# Altium PCB STM32F407IGH6BGA.PcbDoc
Units mil, origin at the board's own origin, x right, y up, seen from the top; angles counter-clockwise.
Board outline 6000 x 4000 mil, 2 copper layers (Top Layer, Bottom Layer); 197 components, 153 nets, 810 pads, 0 vias.
Unrouted connection lines stored in the file: 534.
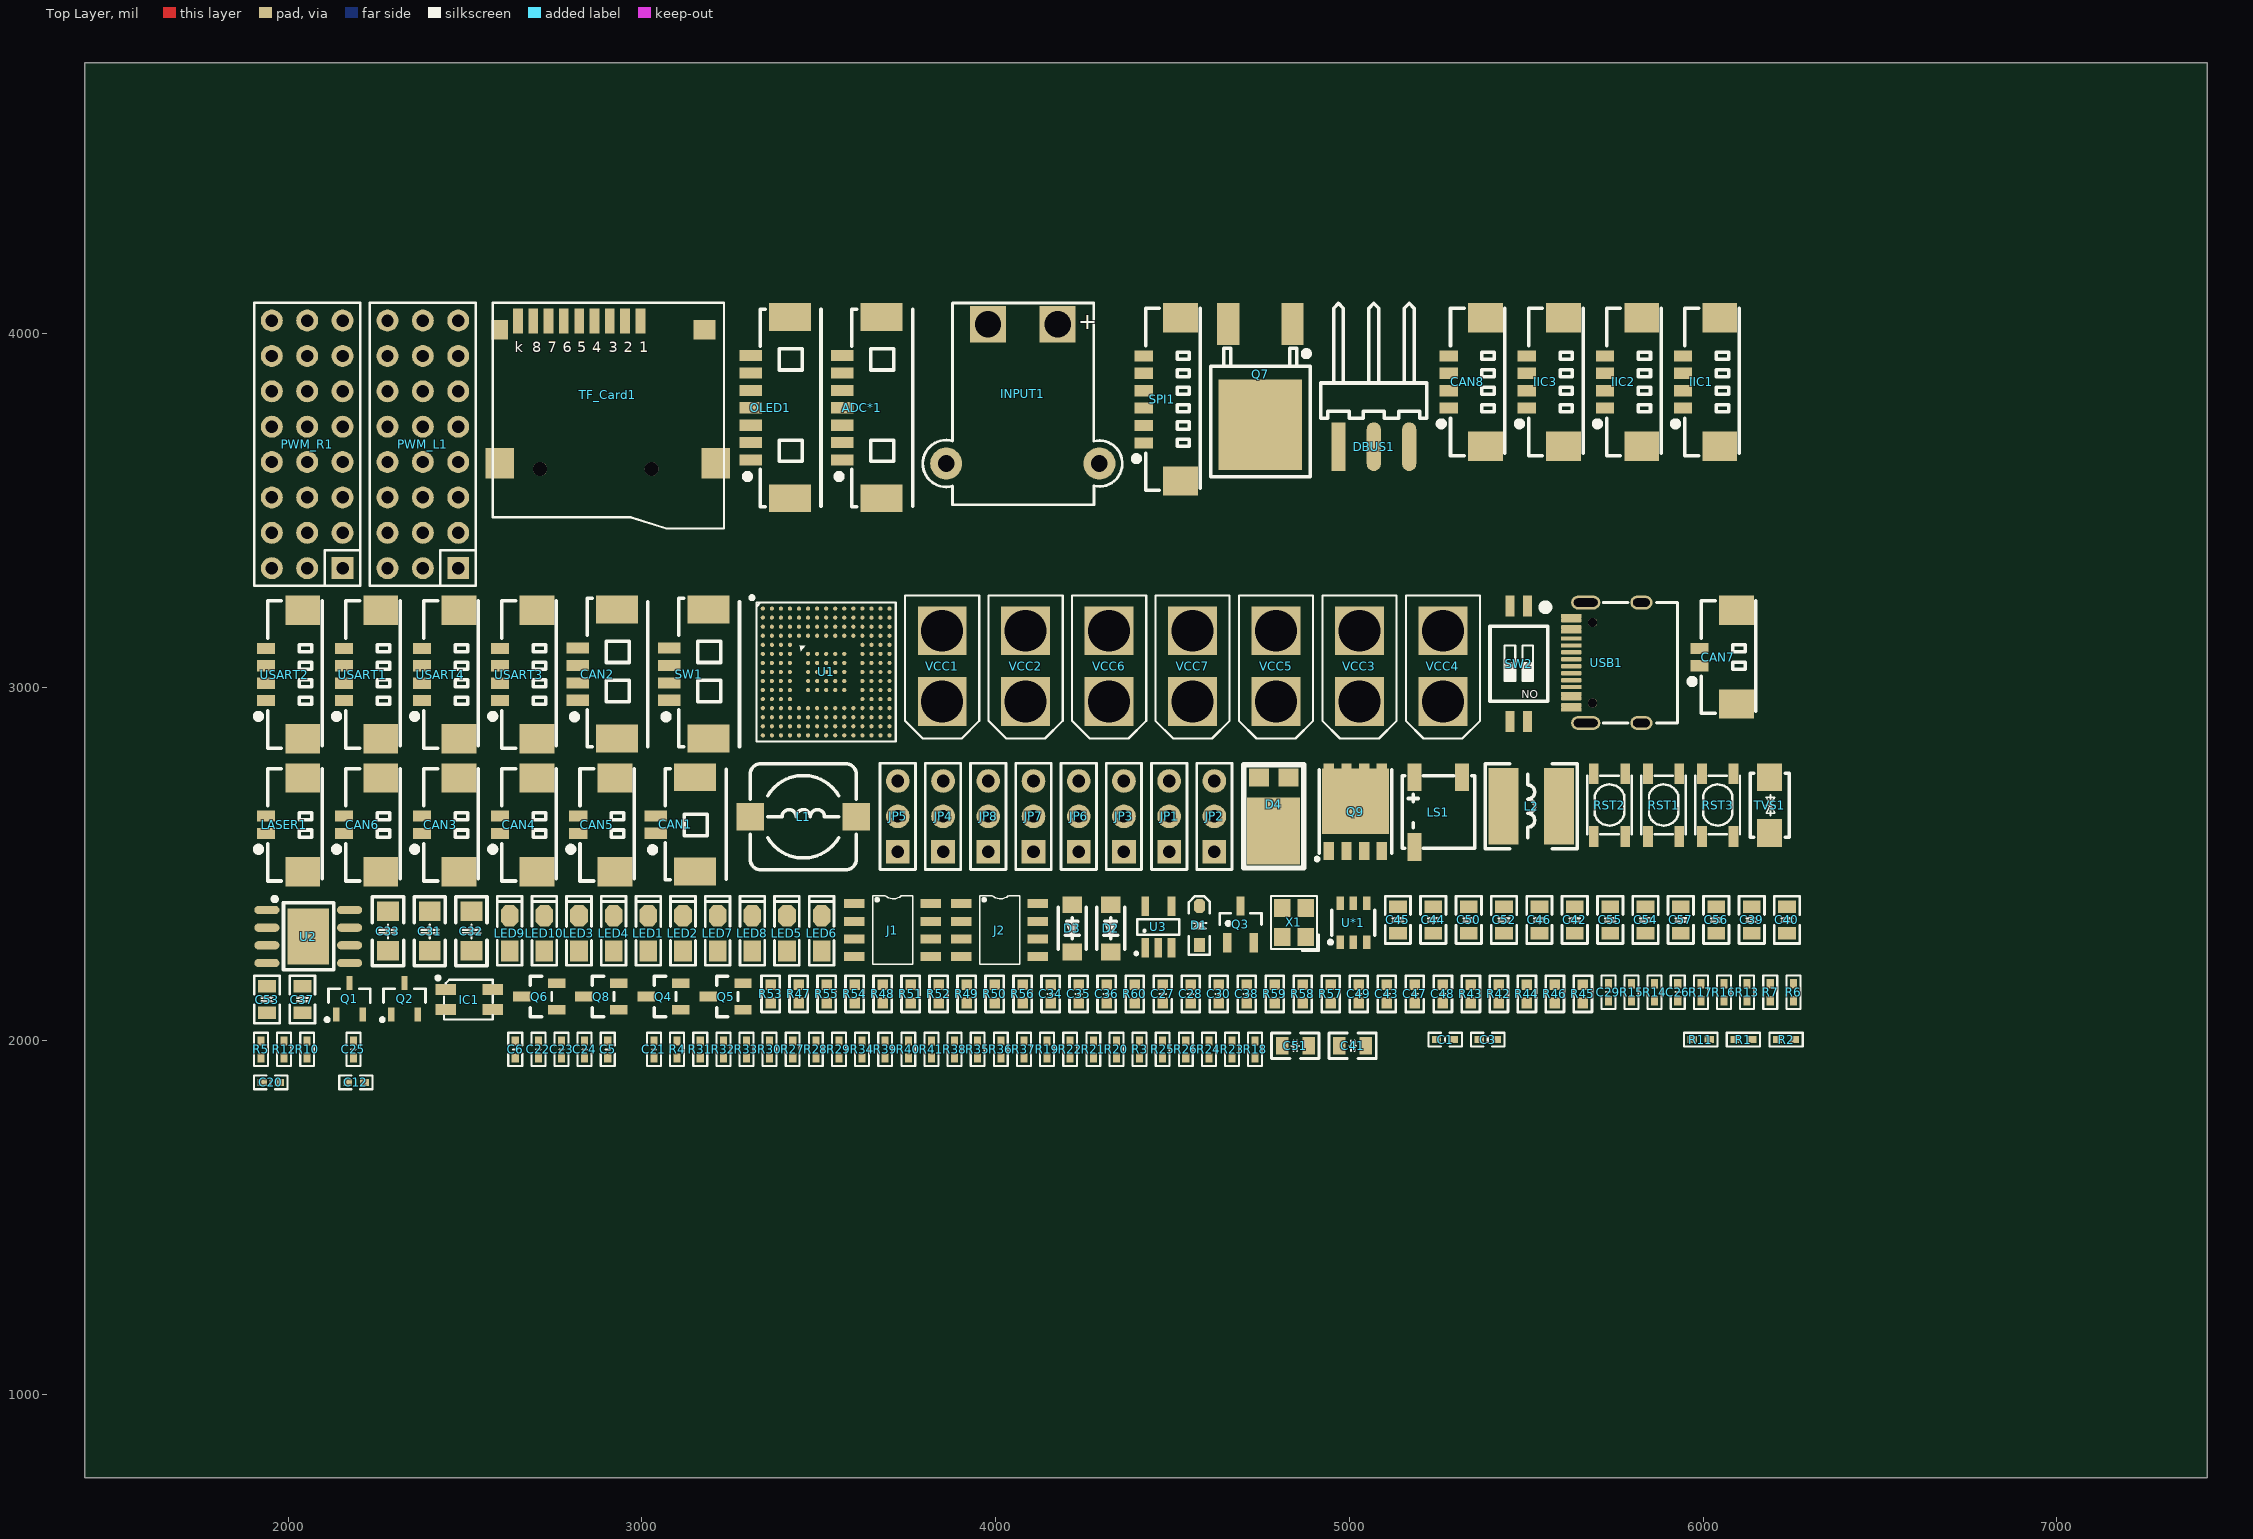
[diagram p0: Top Layer view]
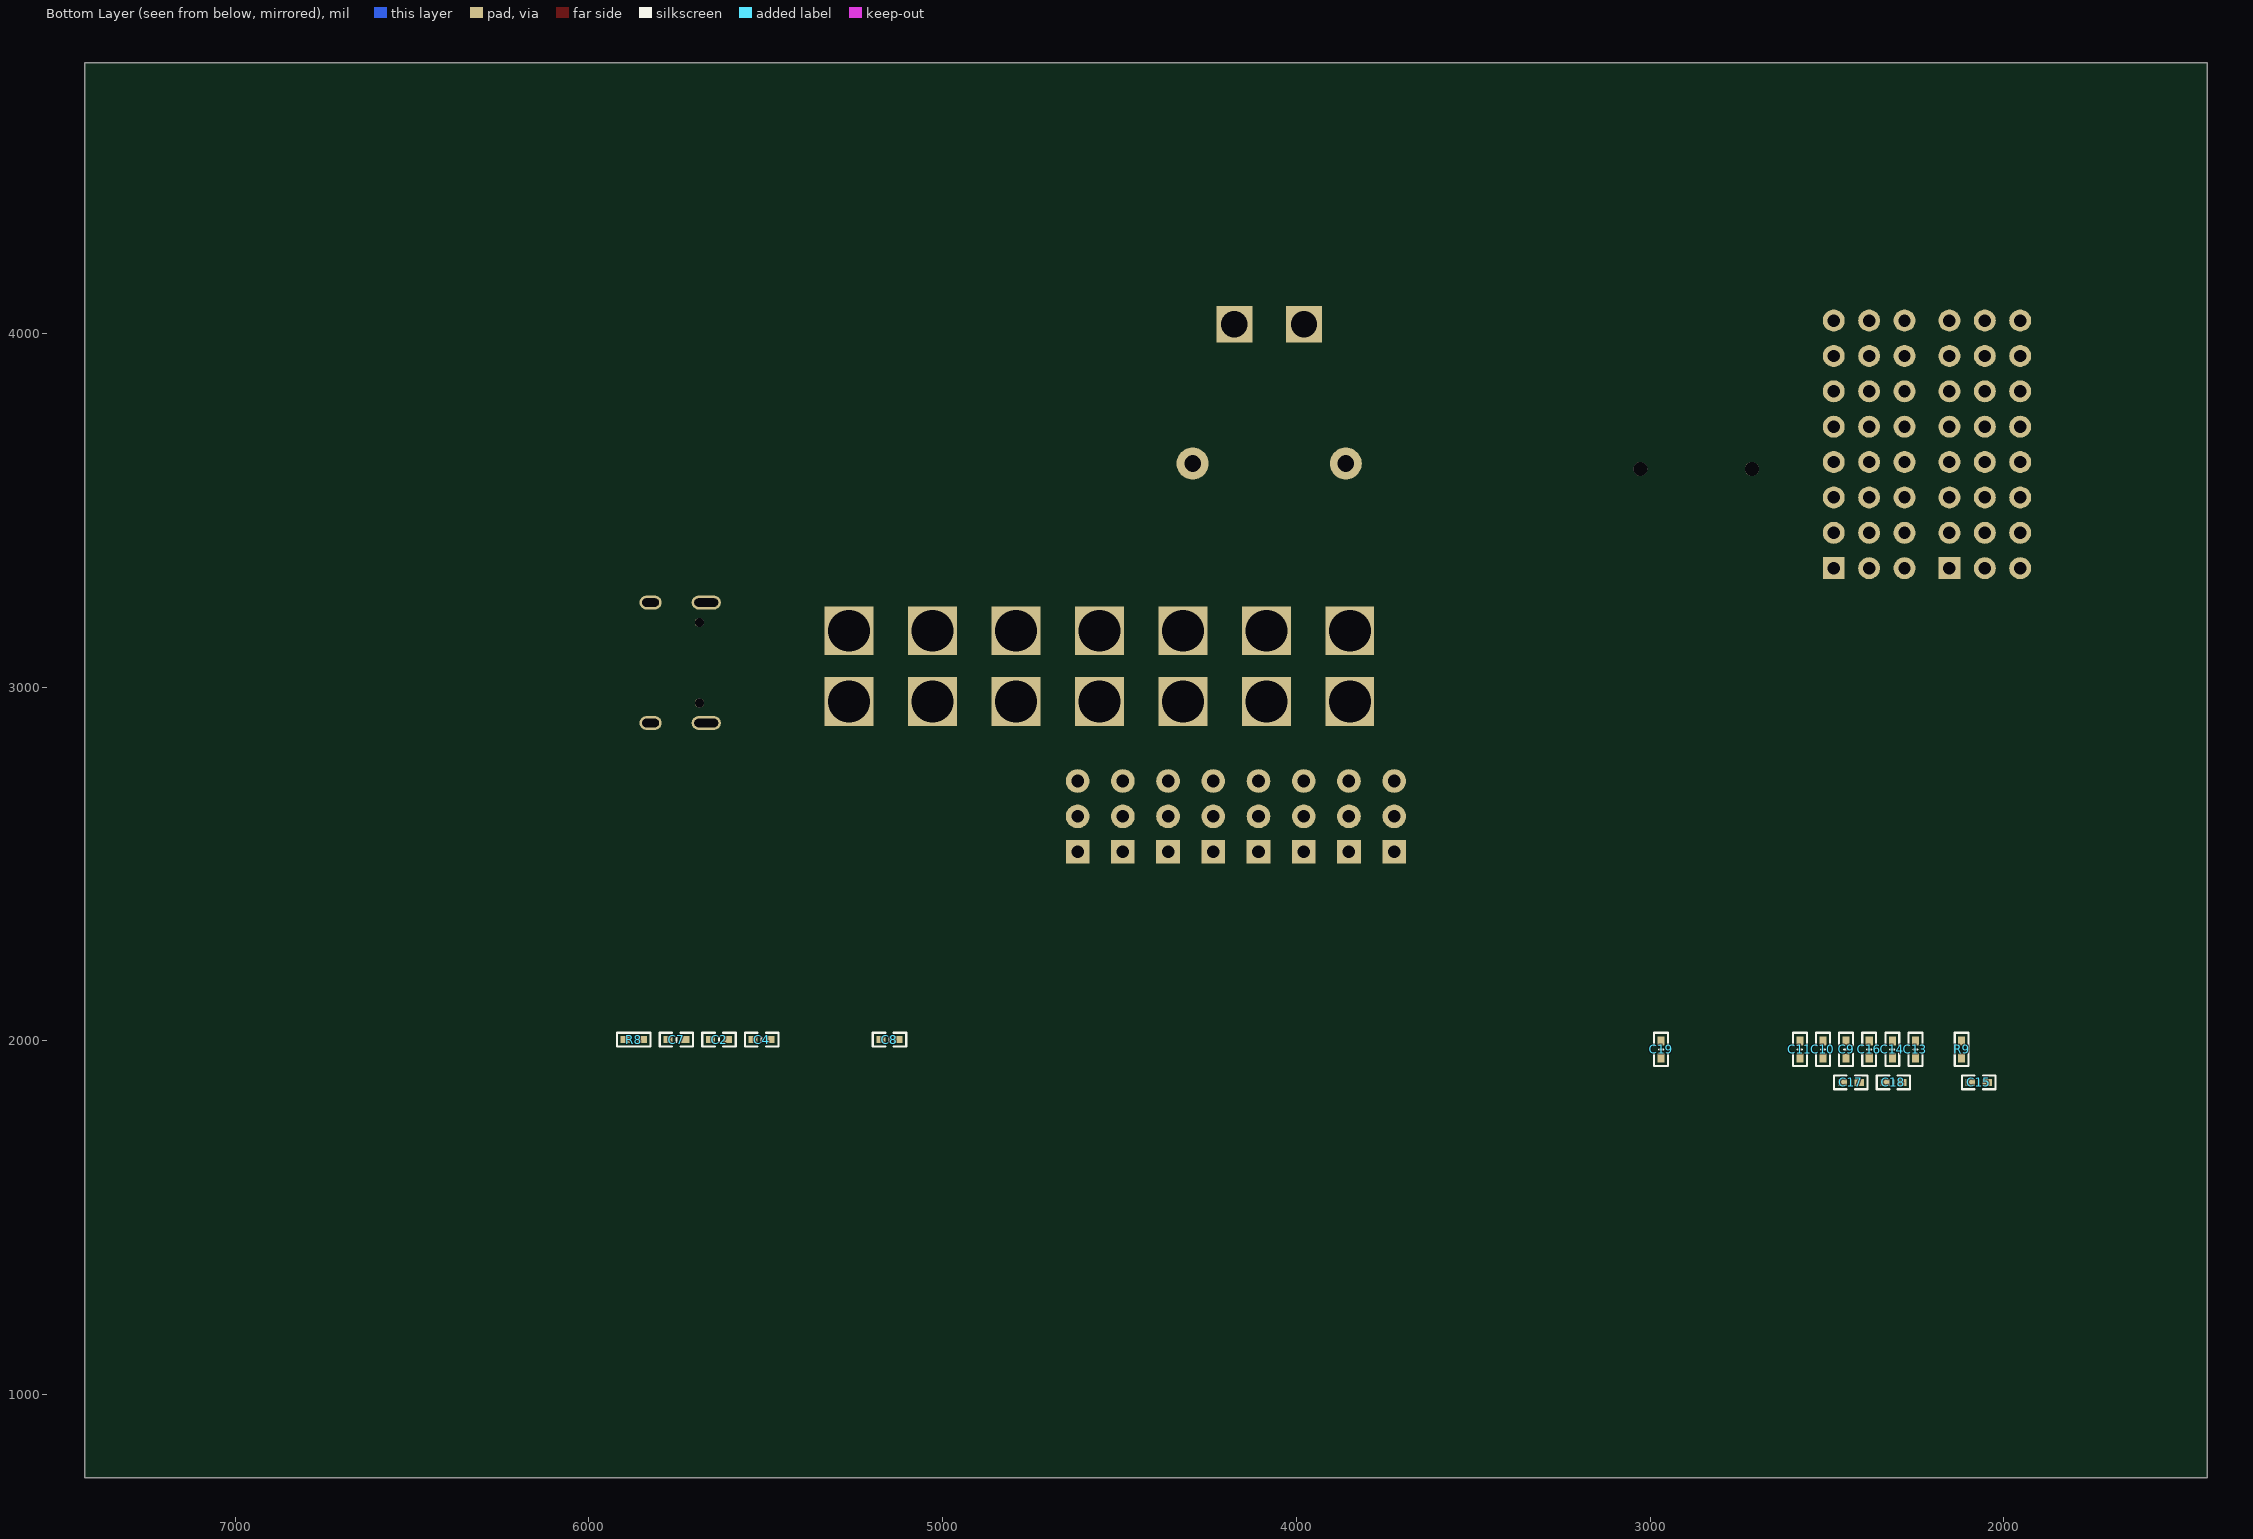
[diagram p1: Bottom Layer view, seen from below]

## Layer stack, top to bottom
Top Solder: solder mask 0.4, Solder Resist, Dk 3.5
Top Layer: signal copper 1.4
Dielectric 1: dielectric 12.6, FR-4, Dk 4.8
Bottom Layer: signal copper 1.4
Bottom Solder: solder mask 0.4, Solder Resist, Dk 3.5

## Board outline
1425,765 7425,765 7425,4765 1425,4765

## Design rules (kind name [scope] priority, off if disabled: settings)
BoardOutlineClearance [All] p1: gap=10 ignorepadtopadclearanceinfootprint=FALSE except(0: Arc-SplitContinuation Track-SplitContinuation SMDPad-SplitContinuation THPad-SplitContinuation Via-SplitContinuation Fill-SplitContinuation Poly-SplitContinuation Region-SplitContinuation Text-SplitContinuation)
Clearance [All] p1: gap=4 ignorepadtopadclearanceinfootprint=TRUE except(0: Arc-Hole Track-Hole SMDPad-Hole THPad-Hole Via-Hole Fill-Hole Poly-Hole Region-Hole Text-Hole)
PlaneConnect [All] p1: planeconnectstyle=Direct reliefexpansion=20 reliefentries=4 reliefconductorwidth=10 reliefairgap=10
PolygonConnect [All] p1: connectstyle=Direct reliefconductorwidth=10 reliefentries=4 polygonreliefangle="90 Angle" airgapwidth=10
RoutingVias [All] p1: holewidth=12 width=24 viastyle="Through Hole" minholewidth=12 minwidth=24 maxholewidth=24 maxwidth=48
SolderMaskExpansion [All] p1: expansion=4 istentingtop=FALSE
Width [All] p1: maxlimit=100 minlimit=5 preferedwidth=10
29 further rules are at their usual default settings.

## Classes and differential pairs
component class Power: C30 C31 C32 C33 C34 C35 C36 C37 C38 C39 C40 C41 C42 C43 C44 C45 C46 C47 C48 C49 C50 C51 C52 C53 C54 C55 C56 C57 D2 D3 D4 INPUT1 L1 L2 Q7 Q8 Q9 R42 R43 R44 R45 R46 R47 R48 R49 R50 R51 R52 R53 R54 R55 R56 R57 R58 R59 R60 TVS1 U2 U3 U*1 VCC1 VCC2 VCC3 VCC4 VCC5 VCC6 VCC7
component class BasicPeripherals: ADC*1 C26 C27 C28 C29 CAN1 CAN2 CAN3 CAN4 CAN5 CAN6 CAN7 CAN8 D1 DBUS1 IC1 IIC1 IIC2 IIC3 J1 J2 JP1 JP2 JP3 JP4 JP5 JP6 JP7 JP8 LASER1 LED1 LED2 LED3 LED4 LED5 LED6 LED7 LED8 LED9 LED10 LS1 OLED1 PWM_L1 PWM_R1 Q1 Q2 Q3 Q4 Q5 Q6 R11 R12 R13 R14 R15 R16 R17 R18 R19 R20 R21 R22 R23 R24 R25 R26 R27 R28 R29 R30 R31 R32 R33 R34 R35 R36 R37 R38 R39 R40 R41 RST2 RST3 SPI1 TF_Card1 USART1 USART2 USART3 USART4 USB1
component class STM32F407IGH6BGA: C1 C2 C3 C4 C5 C6 C7 C8 C9 C10 C11 C12 C13 C14 C15 C16 C17 C18 C19 C20 C21 C22 C23 C24 C25 R1 R2 R3 R4 R5 R6 R7 R8 R9 R10 RST1 SW1 SW2 U1 X1

## Components (designator, comment, footprint, x,y, rotation, side; value= is the part's Value field where it differs from the comment)
ADC*1 "HDR-1X7" "MX 1.25-WS-7P" 3677.25,3790.45 r90 top
C1 "4.7uF" "C 0402_M" 5270.73,2003.37 r0 top
C2 "4.7uF" "C 0402_M" 5632.19,2003.37 r0 bottom
C3 "0.1uF" "C 0402_M" 5391.22,2003.37 r0 top
C4 "0.1uF" "C 0402_M" 5511.71,2003.37 r180 bottom
C5 "1uF" "C 0402_M" 2903.24,1975.81 r270 top
C6 "0.1uF" "C 0402_M" 2641.76,1975.81 r270 top
C7 "0.1uF" "C 0402_M" 5752.68,2003.37 r180 bottom
C8 "0.1uF" "C 0402_M" 5150.24,2003.37 r180 bottom
C9 "0.1uF" "C 0402_M" 2445.65,1975.81 r90 bottom
C10 "0.1uF" "C 0402_M" 2511.02,1975.81 r90 bottom
C11 "0.1uF" "C 0402_M" 2576.39,1975.81 r90 bottom
C12 "0.1uF" "C 0402_M" 2191.22,1882.88 r0 top
C13 "0.1uF" "C 0402_M" 2249.53,1975.81 r90 bottom
C14 "0.1uF" "C 0402_M" 2314.91,1975.81 r90 bottom
C15 "0.1uF" "C 0402_M" 2070.73,1882.88 r0 bottom
C16 "0.1uF" "C 0402_M" 2380.28,1975.81 r90 bottom
C17 "2.2uF" "C 0402_M" 2432.2,1882.88 r180 bottom
C18 "0.1uF" "C 0402_M" 2311.71,1882.88 r0 bottom
C19 "2.2uF" "C 0402_M" 2968.61,1975.81 r90 bottom
C20 "0.1uF" "C 0402_M" 1950.24,1882.88 r0 top
C21 "1uF" "C 0402_M" 3033.98,1975.81 r270 top
C22 "0.1uF" "C 0402_M" 2707.13,1975.81 r270 top
C23 "22pF" "C 0402_M" 2772.5,1975.81 r90 top
C24 "104" "C 0402_M" 2837.87,1975.81 r90 top
C25 "22pF" "C 0402_M" 2184.16,1975.81 r270 top
C26 "10uF" "C 0402_M" 5928.39,2137.67 r90 top
C27 "104" "C 0603_L" 4472.28,2132.74 r90 top
C28 "104" "C 0603_L" 4551.46,2132.74 r90 top
C29 "10uF" "C 0402_M" 5732.28,2137.67 r90 top
C30 "0.1uF" "C 0603_L" 4630.64,2132.74 r90 top
C31 "220uF" "C 1206_L" 2399.87,2309.37 r90 top
C32 "47uF" "C 1206_L" 2517.87,2309.37 r90 top
C33 "4.7uF" "C 1206_L" 2281.87,2309.37 r90 top
C34 "10nF" "C 0603_L" 4155.56,2132.74 r90 top
C35 "10nF" "C 0603_L" 4234.74,2132.74 r90 top
C36 "100nF" "C 0603_L" 4313.92,2132.74 r90 top
C37 "22uF" "C 0805_L" 2040,2116.98 r90 top
C38 "470pF" "C 0603_L" 4709.82,2132.74 r90 top
C39 "22uF" "C 0805_L" 6137.27,2341.87 r90 top
C40 "0.1uF" "C 0805_L" 6237.27,2341.87 r90 top
C41 "10uF" "C 0805_L" 5009.07,1986.06 r0 top
C42 "1uF" "C 0805_L" 5637.27,2341.87 r90 top
C43 "4.7nF" "C 0603_L" 5105.73,2132.74 r90 top
C44 "0.1uF" "C 0805_L" 5237.27,2341.87 r90 top
C45 "10uF" "C 0805_L" 5137.27,2341.87 r90 top
C46 "1uF" "C 0805_L" 5537.27,2341.87 r90 top
C47 "47pF" "C 0603_L" 5184.91,2132.74 r90 top
C48 "0.1uF" "C 0603_L" 5264.09,2132.74 r90 top
C49 "22pF" "C 0603_L" 5026.55,2132.74 r90 top
C50 "47uF" "C 0805_L" 5337.27,2341.87 r90 top
C51 "0.1uF" "C 0805_L" 4847.21,1986.06 r0 top
C52 "47uF" "C 0805_L" 5437.27,2341.87 r90 top
C53 "0.1uF" "C 0805_L" 1940,2116.98 r90 top
C54 "0.1uF" "C 0805_L" 5837.27,2341.87 r90 top
C55 "0.1uF" "C 0805_L" 5737.27,2341.87 r90 top
C56 "47uF" "C 0805_L" 6037.27,2341.87 r90 top
C57 "47uF" "C 0805_L" 5937.27,2341.87 r90 top
CAN1 "HDR-1X2" "MX 1.25-WS-2P" 3149.9,2612.17 r90 top
CAN2 "HDR-1X4" "MX 1.25-WS-4P" 2929.15,3037.27 r90 top
CAN3 "HDR-1X2" "MX 1.25-LS-2P" 2467.25,2611.28 r90 top
CAN4 "HDR-1X2" "MX 1.25-LS-2P" 2688,2611.28 r90 top
CAN5 "HDR-1X2" "MX 1.25-LS-2P" 2908.75,2611.28 r90 top
CAN6 "HDR-1X2" "MX 1.25-LS-2P" 2246.5,2611.28 r90 top
CAN7 "HDR-1X2" "MX 1.25-LS-2P" 6079.16,3085.6 r90 top
CAN8 "HDR-1X4" "MX 1.25-LS-4P" 5369.86,3863.39 r90 top
D1 "1N4148" SOD-323 4575.87,2326.3 r90 top
D2 "BZD27C30P" SOD-123_L2.8-W1.8-LS3.7-RD 4325.05,2318.24 r90 top
D3 "KDZVTR12B" SOD-123_L2.8-W1.8-LS3.7-RD 4216.31,2318.24 r90 top
D4 "SVM860VB" TO-277B_3P-L6.1-W4.3-LS7.0-BR 4785.85,2669.16 r90 top
DBUS1 "HDR-1X3" HDR2.54-WS-3P 5069.11,3680 r0 top
IC1 "WS2812B" "LED 3528-4Pin" 2511.68,2116.91 r0 top
IIC1 "HDR-1X4" "MX 1.25-LS-4P" 6032.11,3863.39 r90 top
IIC2 "HDR-1X4" "MX 1.25-LS-4P" 5811.36,3863.39 r90 top
IIC3 "HDR-1X4" "MX 1.25-LS-4P" 5590.61,3863.39 r90 top
INPUT1 "XT30" XT30PW-M 4076.67,3829.21 r0 top
J1 "TJA1050" SOIC-8_150mil 3599.87,2387.98 r0 top
J2 "TJA1050" SOIC-8_150mil 3902.4,2387.98 r0 top
JP1 "HDR-1X3" HDR2.54-LI-3P 4490.54,2634.75 r90 top
JP2 "HDR-1X3" HDR2.54-LI-3P 4618.41,2634.75 r90 top
JP3 "HDR-1X3" HDR2.54-LI-3P 4362.66,2634.75 r90 top
JP4 "HDR-1X3" HDR2.54-LI-3P 3851.17,2634.75 r90 top
JP5 "HDR-1X3" HDR2.54-LI-3P 3723.29,2634.75 r90 top
JP6 "HDR-1X3" HDR2.54-LI-3P 4234.79,2634.75 r90 top
JP7 "HDR-1X3" HDR2.54-LI-3P 4106.91,2634.75 r90 top
JP8 "HDR-1X3" HDR2.54-LI-3P 3979.04,2634.75 r90 top
L1 "6.8uH" CDRH73 3455.98,2633.68 r0 top
L2 "4.7uH" CD53 5513.95,2663.68 r0 top
LASER1 "HDR-1X2" "MX 1.25-LS-2P" 2025.75,2611.28 r90 top
LED1 "红色" "LED 0805G" 3017.87,2303.8 r90 top
LED2 "红色" "LED 0805G" 3115.87,2303.8 r90 top
LED3 "红色" "LED 0805G" 2821.87,2303.8 r90 top
LED4 "红色" "LED 0805G" 2919.87,2303.8 r90 top
LED5 "红色" "LED 0805G" 3409.87,2303.8 r90 top
LED6 "红色" "LED 0805G" 3507.87,2303.8 r90 top
LED7 "红色" "LED 0805G" 3213.87,2303.8 r90 top
LED8 "红色" "LED 0805G" 3311.87,2303.8 r90 top
LED9 "红色" "LED 0805R" 2625.87,2303.8 r90 top
LED10 "红色" "LED 0805R" 2723.87,2303.8 r90 top
LS1 "KLJ-5020" BUZ-SMD_4P-L5.0-W5.0-P3.80-TL 5251.55,2646.89 r0 top
OLED1 "HDR-1X7" "MX 1.25-WS-7P" 3418.39,3790.45 r90 top
PWM_L1 "HDR3*8-left" "PIN-3*8-2.54 - duplicate" 2480.5,3336.5 r90 top
PWM_R1 "HDR3*8-right" "PIN-3*8-2.54 - duplicate" 2153.5,3336.5 r90 top
Q1 "SS8050" SOT23-3L 2172.83,2119.94 r0 top
Q2 "SS8050" SOT23-3L 2328.66,2119.94 r0 top
Q3 "PMBT3904" SOT-23-3 4692.37,2327.3 r0 top
Q4 "AO3400A" SOT-23-3_L2.9-W1.3-P1.90-LS2.4-BR 3060.74,2125.43 r0 top
Q5 "AO3400A" SOT-23-3_L2.9-W1.3-P1.90-LS2.4-BR 3236.35,2125.43 r0 top
Q6 "AO3400A" SOT-23-3_L2.9-W1.3-P1.90-LS2.4-BR 2709.51,2125.43 r0 top
Q7 "IPD50P04P4L" PG-TO252-3 4748.47,3884.55 r90 top
Q8 "PMBT3906,215" SOT-23-3_L2.9-W1.3-P1.90-LS2.4-BR 2885.13,2125.43 r0 top
Q9 "BSC037N08NS5ATMA1" PG-TDSON-8_L5.0-W6.0-P1.27-LS6.2-BL-EP 5016.82,2648.09 r0 top
R1 "0R" "R 0402_M" 6114.15,2003.37 r180 top
R2 "0R" "R 0402_M" 6234.63,2003.37 r180 top
R3 "10K" "R 0402_M" 4406.75,1975.81 r270 top
R4 "1K" "R 0402_M" 3099.35,1975.81 r270 top
R5 "10K" "R 0402_M" 1922.68,1975.81 r270 top
R6 "1K" "R 0402_M" 6255.24,2137.67 r270 top
R7 "0R" "R 0402_M" 6189.87,2137.67 r270 top
R8 "10K" "R 0402_M" 5873.17,2003.37 r0 bottom
R9 "10K" "R 0402_M" 2118.8,1975.81 r90 bottom
R10 "10K" "R 0402_M" 2053.43,1975.81 r90 top
R11 "4.7K" "R 0402_M" 5993.66,2003.37 r0 top
R12 "120R" "R 0402_M" 1988.06,1975.81 r90 top
R13 "510R" "R 0402_M" 6124.5,2137.67 r90 top
R14 "510R" "R 0402_M" 5863.02,2137.67 r90 top
R15 "4.7K" "R 0402_M" 5797.65,2137.67 r90 top
R16 "10K" "R 0402_M" 6059.13,2137.67 r90 top
R17 "10K" "R 0402_M" 5993.76,2137.67 r90 top
R18 "120R" "R 0402_M" 4733.6,1975.81 r90 top
R19 "10K" "R 0402_M" 4145.27,1975.81 r90 top
R20 "10K" "R 0402_M" 4341.38,1975.81 r90 top
R21 "10K" "R 0402_M" 4276.01,1975.81 r90 top
R22 "10K" "R 0402_M" 4210.64,1975.81 r90 top
R23 "10K" "R 0402_M" 4668.23,1975.81 r90 top
R24 "10K" "R 0402_M" 4602.86,1975.81 r90 top
R25 "10K" "R 0402_M" 4472.12,1975.81 r90 top
R26 "10K" "R 0402_M" 4537.49,1975.81 r90 top
R27 "10K" "R 0402_M" 3426.2,1975.81 r90 top
R28 "10K" "R 0402_M" 3491.57,1975.81 r90 top
R29 "10K" "R 0402_M" 3556.94,1975.81 r90 top
R30 "10K" "R 0402_M" 3360.83,1975.81 r90 top
R31 "10K" "R 0402_M" 3164.72,1975.81 r90 top
R32 "10K" "R 0402_M" 3230.09,1975.81 r90 top
R33 "22R" "R 0402_M" 3295.46,1975.81 r90 top
R34 "22R" "R 0402_M" 3622.31,1975.81 r90 top
R35 "10K" "R 0402_M" 3949.16,1975.81 r90 top
R36 "4.7K" "R 0402_M" 4014.53,1975.81 r90 top
R37 "4.7K" "R 0402_M" 4079.9,1975.81 r90 top
R38 "4.7K" "R 0402_M" 3883.79,1975.81 r90 top
R39 "4.7K" "R 0402_M" 3687.68,1975.81 r90 top
R40 "4.7K" "R 0402_M" 3753.05,1975.81 r90 top
R41 "4.7K" "R 0402_M" 3818.42,1975.81 r90 top
R42 "100K" "R 0603_L" 5422.46,2132.74 r90 top
R43 "1K" "R 0603_L" 5343.27,2132.74 r90 top
R44 "10K" "R 0603_L" 5501.64,2132.74 r90 top
R45 "33R" "R 0603_L" 5660,2132.74 r90 top
R46 "33R" "R 0603_L" 5580.82,2132.74 r90 top
R47 "1K" "R 0603_L" 3442.93,2132.74 r90 top
R48 "100K" "R 0603_L" 3680.47,2132.74 r90 top
R49 "14K" "R 0603_L" 3918.01,2132.74 r90 top
R50 "0R" "R 0603_L" 3997.19,2132.74 r90 top